# Altium PCB LimeSDR-QPCIe_1v2.PcbDoc (part 15 of 21)
Units mm, origin at the board's own origin, x right, y up, seen from the top; angles counter-clockwise.
Board outline 190 x 111.15 mm, 14 copper layers (Top, L2, L3, L4, L5, L6, L7, L8, L9, L10, L11, L12, L13, Bottom), stack 1.907 mm thick; 2014 components, 1408 nets, 9111 pads, 4171 vias.
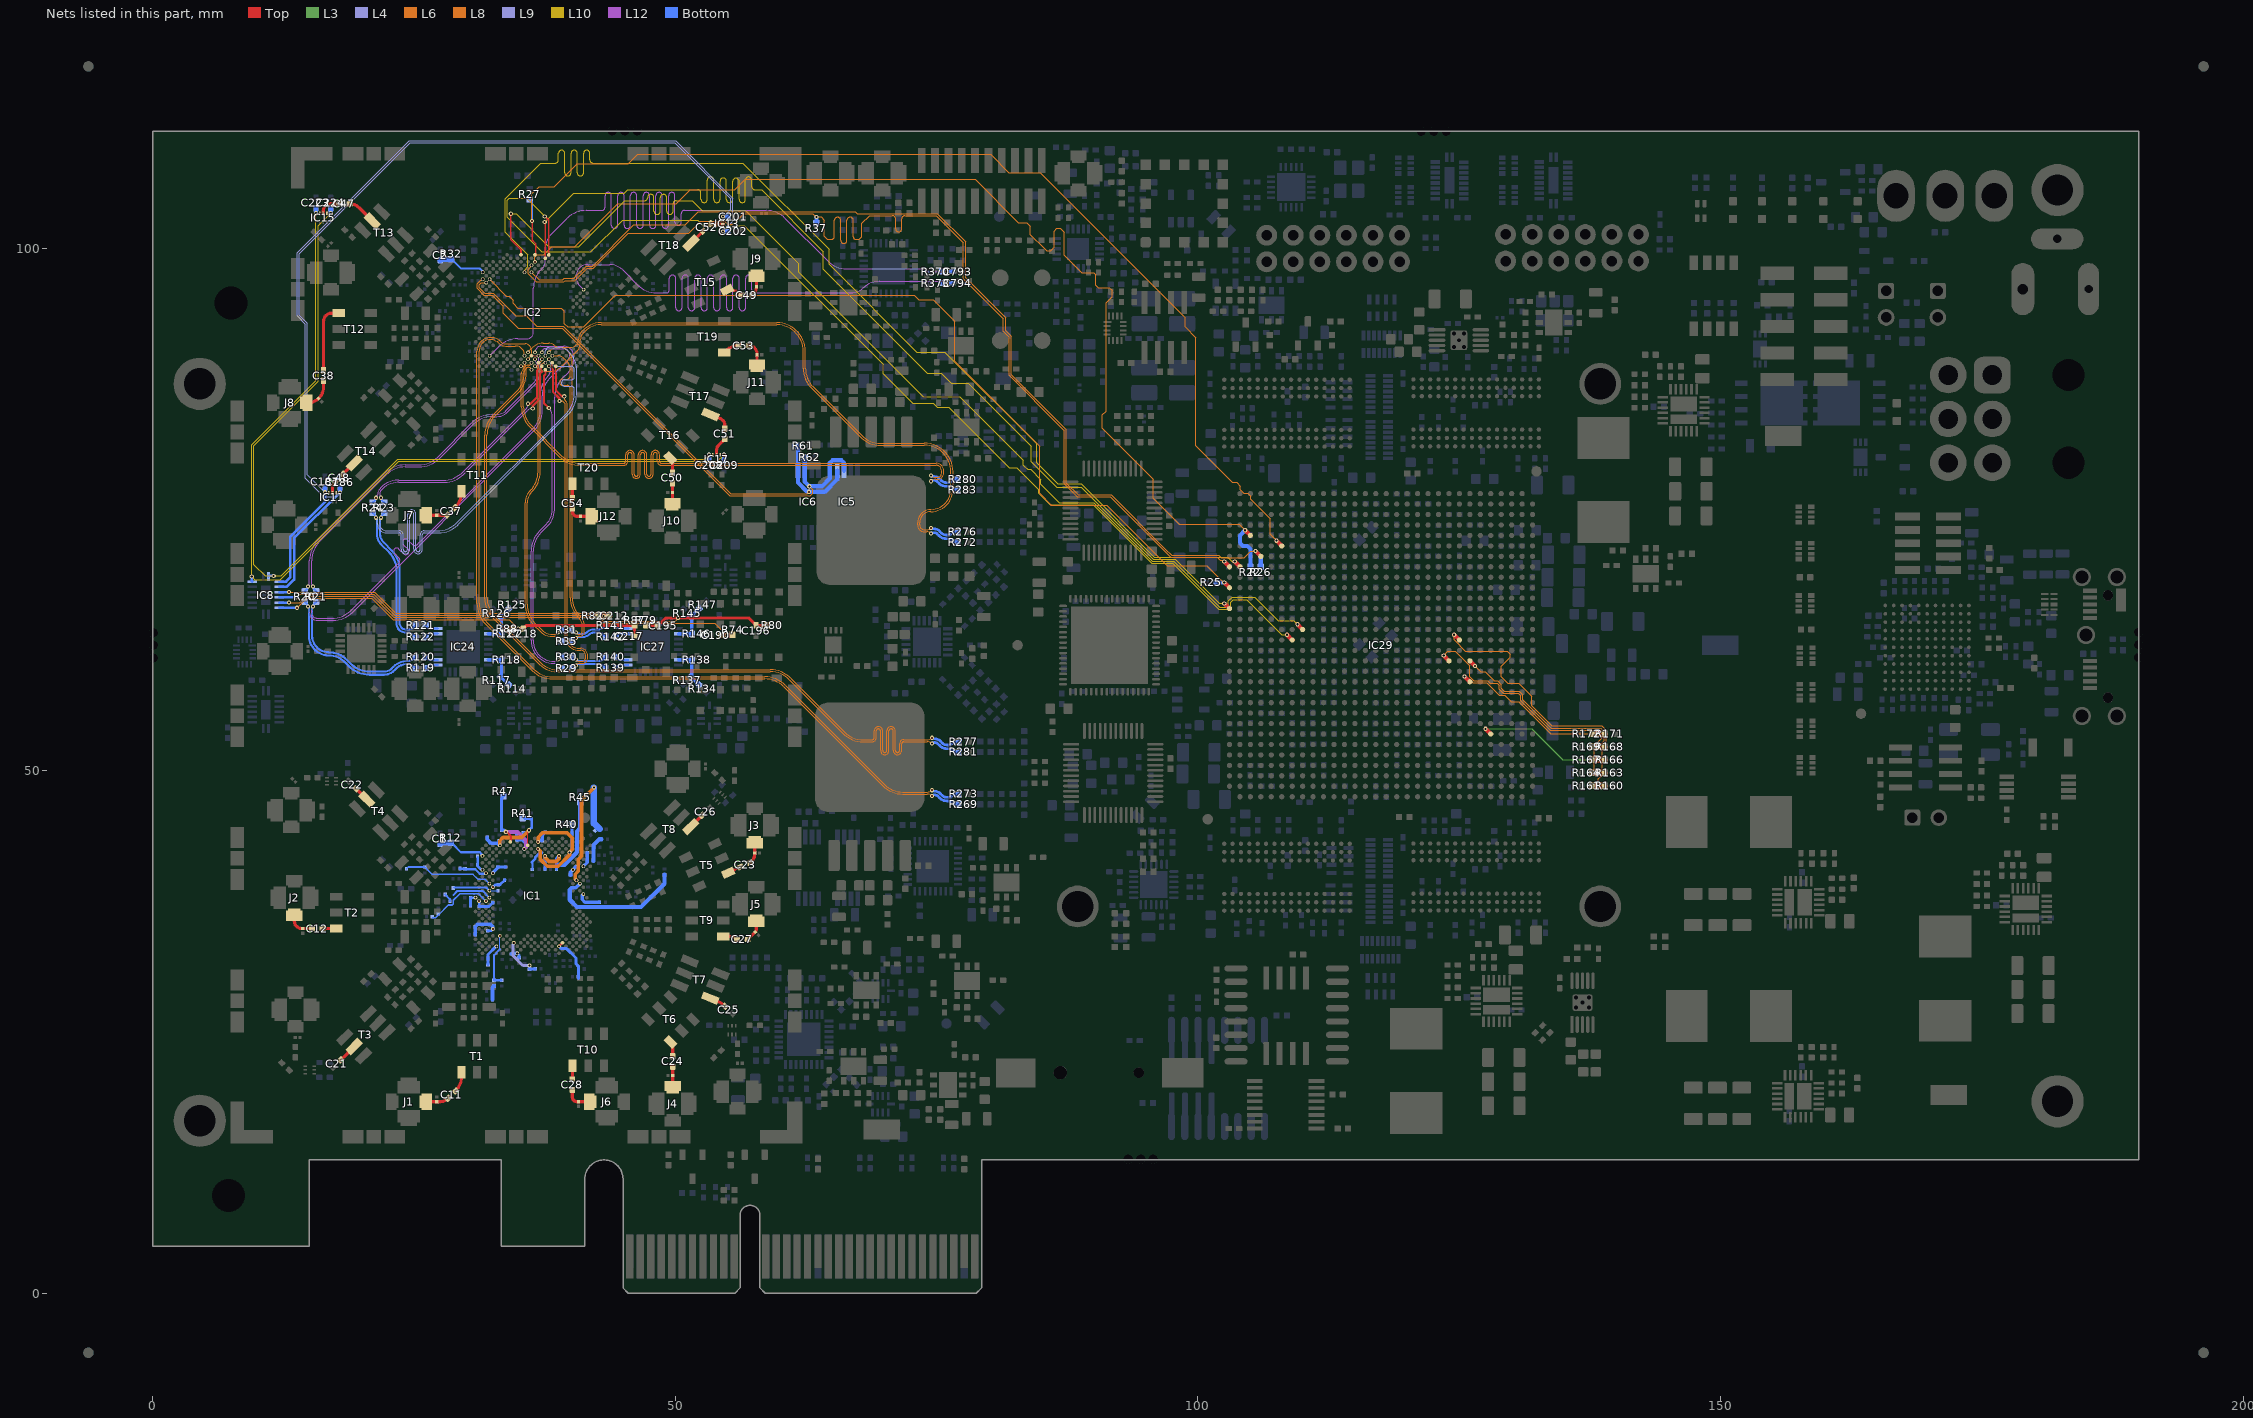
[diagram p27: the nets of this part, all layers, seen from the top]

## Via types
v1: diameter 0.4, hole 0.2, Top to Bottom, tented both sides, 3282 vias
v2: diameter 0.4, hole 0.2, Top to Bottom, tented top, 531 vias
v3: diameter 0.35, hole 0.2, Top to Bottom, tented top, 210 vias
v4: diameter 0.5, hole 0.2, Top to Bottom, tented both sides, 99 vias
v5: diameter 0.5, hole 0.2, Top to Bottom, tented bottom, 49 vias

## Nets (pads, with @x,y where several pads share a name; then routed paths per layer and width w, separated by ;. In a path a pad name is that pad's centre, name@x,y a point inside that pad or via, vN(x,y) a via of type N, cw(c..) or ccw(c..) an arc to the next point about the centre after c; other vN are vias at no path point) (continued)
LMS2_FCLK1: IC2.AA33 IC29.W30 | length 105.6
  Top w0.15: v1@37.555,102.462 37.555,99.013 IC2.AA33@37.572,99.013
  Top w0.4: v2(102.525,66) IC29.W30@103.025,65.5
  L10 w0.1: v1(37.505,102.487) 40.268,105.25 45.105,105.25 45.43,105.575 51.525,105.575 52.153,105.575 cw(c52.153,105.271) 52.457,105.271 52.457,104.645 ccw(c52.761,104.645) 52.761,104.341 ccw(c52.761,104.645) 53.065,104.645 53.065,105.575 53.065,106.505 cw(c53.369,106.505) 53.369,106.809 cw(c53.369,106.505) 53.673,106.505 53.673,105.575 53.673,104.645 ccw(c53.977,104.645) 53.977,104.341 ccw(c53.977,104.645) 54.281,104.645 54.281,105.575 54.281,106.391 cw(c54.585,106.391) 54.585,106.695 cw(c54.585,106.391) 54.889,106.391 54.889,105.575 54.889,104.645 ccw(c55.193,104.645) 55.193,104.341 ccw(c55.193,104.645) 55.497,104.645 55.497,105.575 55.497,106.371 cw(c55.801,106.371) 55.801,106.675 cw(c55.801,106.371) 56.105,106.371 56.105,105.575 56.105,104.645 ccw(c56.409,104.645) 56.409,104.341 ccw(c56.409,104.645) 56.713,104.645 56.713,105.575 56.713,106.505 cw(c57.017,106.505) 57.017,106.809 cw(c57.017,106.505) 57.321,106.505 57.321,105.879 ccw(c57.625,105.879) 57.625,105.575 58.25,105.575 64.175,99.65 64.175,97.975 74.125,88.025 75.45,88.025 76.425,87.05 78.05,87.05 84.08,81.02 84.08,79.54 86.52,77.1 88.866,77.1 95.741,70.225 97.825,70.225 102.05,66 v2(102.525,66)
LMS2_FCLK2: IC2.R29 IC29.AC29 | length 108.5
  Top w0.4: v2(103.525,70) IC29.AC29@104.025,69.5
  L10 w0.1: v3(35.574,97.681) 35.574,97.864 35.899,98.189 35.899,99.343 33.713,101.528 33.713,104.713 37.125,108.125 38.525,108.125 ccw(c38.525,108.425) 38.825,108.425 38.825,109.055 cw(c39.125,109.055) 39.125,109.355 cw(c39.125,109.055) 39.425,109.055 39.425,108.125 39.425,107.195 ccw(c39.725,107.195) 39.725,106.895 ccw(c39.725,107.195) 40.025,107.195 40.025,108.125 40.025,109.055 cw(c40.325,109.055) 40.325,109.355 cw(c40.325,109.055) 40.625,109.055 40.625,108.125 40.625,107.195 ccw(c40.925,107.195) 40.925,106.895 ccw(c40.925,107.195) 41.225,107.195 41.225,108.125 41.225,109.055 cw(c41.525,109.055) 41.525,109.355 cw(c41.525,109.055) 41.825,109.055 41.825,108.425 ccw(c42.125,108.425) 42.125,108.125 43.8,108.125 56.475,108.125 64.725,99.875 64.725,98.425 73.125,90.025 75.8,90.025 84.575,81.25 84.575,79.455 86.605,77.425 88.824,77.425 95.824,70.425 102.87,70.425 103.295,70 v2(103.525,70)
LMS2_I2C_SCL: IC2.C27 IC5.6 IC6.6 R62.2 | length 51.8
  L6 w0.1: v3(31.578,97.015) 31.501,97.015 31.053,96.567 31.053,96.132 31.693,95.491 32.51,95.491 33.55,94.451 33.55,93.744 34.957,92.337 39.192,92.337 55.229,76.3 62.92,76.3 63.15,76.53 63.15,76.875 v1(62.825,77.2)
  Bottom w0.4: R62.2@62.375,80 R62.2@62.395,79.98 ; R62.2@62.395,79.905 IC6.6@62.395,78.686 62.395,77.63 v1(62.825,77.2) 64.025,77.2 64.775,77.95 64.775,79.425 65.036,79.686 65.914,79.686 66.14,79.46 IC5.6@66.14,78.686
LMS2_I2C_SDA: IC2.D26 IC5.5 IC6.5 R61.2 | length 49.7
  L6 w0.1: v3(31.911,96.682) 31.903,96.674 31.443,96.674 31.253,96.484 31.253,96.214 31.776,95.691 32.593,95.691 34.747,93.537 35.757,93.537 36.757,92.537 39.275,92.537 55.312,76.5 62.625,76.5 v1(62.8,76.675)
  Bottom w0.4: R61.2@61.745,81.02 IC6.5@61.745,78.686 61.745,77.555 62.625,76.675 v1(62.8,76.675) 64.3,76.675 65.49,77.865 IC5.5@65.49,78.686 ; R61.2@61.745,81.095 R61.2@61.75,81.1
LMS2_LOOPBACK_RX1H: C52.1 IC13.5 | length 1.3
  Top w0.309: C52.1@53.364,102.3 IC13.5@54.55,102.3 IC13.5@54.625,102.3
LMS2_LOOPBACK_RX2H: C51.1 IC17.5 | length 1.8
  Top w0.309: IC17.5@53.95,80.175 53.95,80.675 cw(c54.57,80.675) 54.132,81.114 C51.1@54.737,81.719
LMS2_LOOPBACK_TX12: C48.1 IC11.5 | length 1.2
  Top w0.309: IC11.5@17.2,76.525 IC11.5@17.2,76.6 17.2,76.931 cw(c18.212,76.931) C48.1@17.496,77.646
LMS2_LOOPBACK_TX22: C47.1 IC15.5 | length 2.2
  Top w0.309: IC15.5@16.325,103.275 IC15.5@16.325,103.325 16.325,103.575 cw(c16.975,103.575) 16.975,104.225 C47.1@17.85,104.225
LMS2_MCLK1: IC2.AB34 IC29.T24 | length 105.9
  Top w0.15: v1@37.513,103.053 37.905,102.662 IC2.AB34@37.905,99.346
  Top w0.4: v2(108.525,63) IC29.T24@109.025,62.5
  L10 w0.1: v1(37.513,103.028) 35.788,104.753 34.118,104.753 33.913,104.548 33.913,104.258 33.913,102.933 37.221,99.625 41.925,99.625 44.95,102.65 52.133,102.65 52.633,102.15 56.595,102.15 69.875,88.87 69.875,87.95 72.7,85.125 74.7,85.125 75.075,84.75 76.175,84.75 81.95,78.975 82.682,78.975 84.775,76.882 84.775,76.525 85.875,75.425 89.975,75.425 95.575,69.825 97.617,69.825 101.992,65.45 102.753,65.45 103.125,65.822 103.125,66.095 103.38,66.35 104.67,66.35 108.02,63 v2(108.525,63)
LMS2_MCLK2: IC2.P34 IC29.U23 | length 108.6
  Top w0.15: v1@34.238,103.278 34.238,100.828 35.241,99.826 IC2.P34@35.241,99.346
  Top w0.4: v2(109.525,64) IC29.U23@110.025,63.5
  L10 w0.1: v1(34.263,103.278) 34.763,103.278 37.916,100.125 40.75,100.125 45.15,104.525 47.05,104.525 ccw(c47.05,104.829) 47.354,104.829 47.354,104.831 cw(c47.658,104.831) 47.658,105.135 cw(c47.658,104.831) 47.962,104.831 47.962,104.525 47.962,103.519 ccw(c48.266,103.519) 48.266,103.215 ccw(c48.266,103.519) 48.57,103.519 48.57,104.525 48.57,104.831 cw(c48.874,104.831) 48.874,105.135 cw(c48.874,104.831) 49.178,104.831 49.178,104.525 49.178,103.519 ccw(c49.482,103.519) 49.482,103.215 ccw(c49.482,103.519) 49.786,103.519 49.786,104.221 cw(c50.09,104.221) 50.09,104.525 51.25,104.525 51.6,104.525 52.575,103.55 56.725,103.55 61.794,98.481 61.794,97.686 73.705,85.775 77.2,85.775 83.3,79.675 83.3,79.225 83.7,78.825 84,78.825 84.975,77.85 84.975,77.4 86.75,75.625 90.058,75.625 95.658,70.025 97.7,70.025 102.075,65.65 102.67,65.65 102.925,65.905 102.925,66.25 103.275,66.6 105.42,66.6 107.67,64.35 109.175,64.35 v2(109.525,64)
LMS2_RESET: IC2.E27 IC29.AA30 R25.2 | length 92
  Top w0.4: v2(102.525,68) IC29.AA30@103.025,67.5
  L6 w0.1: v3(32.244,97.015) 32.244,96.989 33.833,95.4 34.1,95.4 34.475,95.025 34.475,94.7 34.925,94.25 39.075,94.25 39.375,93.95 39.375,92.775 39.7,92.45 41.225,92.45 44.25,95.475 72.875,95.475 73.3,95.05 74.675,95.05 76.737,92.988 76.737,89.163 84.85,81.05 84.85,76.53 85.98,75.4 91.275,75.4 97.075,69.6 100.834,69.6 102.434,68 v2(102.525,68)
  Bottom w0.4: R25.2@101.775,68 v2(102.525,68)
LMS2_RX1_BB_I_ADC_N: IC2.U5 R21.2 | length 35.2
  Top w0.1: IC2.U5@36.24,89.689 v3(36.914,89.689)
  L12 w0.1: v1(15.35,67.602) 15.269,67.684 cw(c15.435,67.85) 15.2,67.85 15.2,70.098 cw(c17.74,70.098) 15.944,71.894 22.356,78.306 cw(c24.152,76.51) 24.152,79.05 25.465,79.05 ccw(c25.465,81.79) 27.403,79.853 30.681,83.131 cw(c32.477,81.335) 32.477,83.875 32.9,83.875 ccw(c32.9,85.403) 33.98,84.322 36.519,86.862 ccw(c35.178,88.203) 37.075,88.203 37.075,88.794 ccw(c36.819,88.794) 37,88.975 cw(c37.207,89.182) 36.914,89.182 v3(36.914,89.689)
  Bottom w0.2: v1@15.325,67.602 ccw(c15.642,67.602) 15.418,67.378 R21.2@15.646,67.15
LMS2_RX1_BB_I_ADC_P: IC2.V4 R20.2 | length 34.2
  L12 w0.1: v1(14.85,67.6) 14.929,67.679 ccw(c14.759,67.85) 15,67.85 15,70.098 cw(c17.74,70.098) 15.803,72.035 22.215,78.447 cw(c24.152,76.51) 24.152,79.25 25.465,79.25 ccw(c25.465,81.79) 27.261,79.994 30.54,83.272 cw(c32.477,81.335) 32.477,84.075 32.9,84.075 ccw(c32.9,85.403) 33.839,84.464 36.378,87.003 ccw(c35.178,88.203) 36.875,88.203 36.875,88.626 ccw(c36.455,88.626) 36.752,88.923 cw(c37.185,89.356) v3(36.573,89.356)
  Bottom w0.2: R20.2@14.554,67.147 14.782,67.376 ccw(c14.558,67.6) v1@14.875,67.6
LMS2_RX1_BB_I_DET: IC24.15 R114.2 R117.1 R118.2 | length 4
  Bottom w0.3: IC24.15@32.1,60.6 R118.2@33.375,60.6 33.375,59.075 R117.1@33.279,58.979 R114.2@34.056,58.201
LMS2_RX1_BB_I_DET_N: IC24.26 R120.1 | length 1.3
  Bottom w0.2: R120.1@26.125,60.875 26.4,60.6 IC24.26@27.3,60.6
LMS2_RX1_BB_I_DET_P: IC24.25 R119.1 | length 1.3
  Bottom w0.2: R119.1@26.125,59.825 26.4,60.1 IC24.25@27.3,60.1
LMS2_RX1_BB_I_N: IC2.AB2 R21.1 R120.2 | length 55
  L12 w0.1: v1(15.35,65.693) ccw(c15.712,65.33) 15.2,65.33 15.2,65.125 ccw(c15.75,65.125) 15.75,64.575 17.115,64.575 ccw(c17.115,67.315) 19.053,65.378 23.275,69.6 23.36,69.685 23.575,69.9 ccw(c23.36,70.115) 23.575,70.33 23.133,70.773 cw(c23.348,70.988) 23.133,71.203 cw(c23.348,70.988) 23.563,71.203 24.005,70.76 ccw(c24.22,70.975) 24.435,70.76 ccw(c24.22,70.975) 24.435,71.19 23.993,71.632 cw(c24.208,71.847) 23.993,72.062 cw(c24.208,71.847) 24.423,72.062 24.865,71.62 ccw(c25.08,71.835) 25.295,71.62 25.51,71.835 25.725,72.05 36.331,82.656 ccw(c34.535,84.452) 37.075,84.452 37.075,85.965 cw(c39.575,85.965) 37.807,87.732 ccw(c37.16,88.379) 38.075,88.379 ccw(c37.735,88.379) 37.975,88.619 v3(37.905,88.69)
  Bottom w0.2: R21.1@15.646,66.15 15.447,65.951 ccw(c15.923,65.475) 15.25,65.475 15.25,62.9 ccw(c16.825,62.9) 16.825,61.325 cw(c16.825,58.85) 18.575,60.6 18.956,60.219 ccw(c20.752,62.015) 20.752,59.475 22.134,59.475 ccw(c22.134,60.541) 22.888,59.787 ; 22.888,59.787 23.036,59.935 cw(c24.4,58.57) 24.4,60.5 ccw(c24.4,61.345) 24.997,60.747 R120.2@25.125,60.875
LMS2_RX1_BB_I_P: IC2.Y6 R20.1 R119.2 | length 57.1
  L12 w0.1: v1(14.85,65.695) cw(c14.488,65.333) 15,65.333 15,65.125 ccw(c15.75,65.125) 15.75,64.375 17.281,64.375 ccw(c17.281,66.915) 19.077,65.119 36.478,82.52 ccw(c34.541,84.458) 37.281,84.458 37.281,85.865 cw(c39.613,85.865) 37.964,87.514 39.688,89.238 ccw(c39.176,89.75) 39.9,89.75 ccw(c39.237,89.75) 39.706,90.219 ccw(c39.329,89.842) 39.329,90.375 37.592,90.375 ccw(c37.592,90.022) v3(37.239,90.022)
  Bottom w0.2: R20.1@14.554,66.148 14.755,65.947 cw(c14.283,65.475) 14.95,65.475 14.95,62.9 ccw(c16.825,62.9) 16.825,61.025 cw(c16.825,58.85) 18.363,60.388 18.744,60.007 ccw(c20.752,62.015) 20.752,59.175 22.134,59.175 ccw(c22.134,60.541) 23.1,59.575 23.248,59.723 cw(c24.4,58.57) 24.4,60.2 cw(c24.4,59.355) 24.997,59.953 R119.2@25.125,59.825
LMS2_RX1_BB_Q_ADC_N: IC2.W3 R24.2 | length 23.5
  Top w0.1: 36.906,88.406 IC2.W3@36.906,89.023
  Top w0.2: v1(35.912,85.1) 36.15,85.1 36.75,85.7 36.75,88.25 36.906,88.406
  L12 w0.1: v1(21.354,76.1) 21.451,76.197 ccw(c21.323,76.325) 21.504,76.325 21.504,76.331 cw(c22.544,76.331) 21.809,77.066 cw(c23.519,75.356) 23.227,77.757 cw(c23.519,75.356) 23.519,77.775 27.761,77.775 ccw(c27.761,80.515) 29.699,78.578 35.673,84.552 ccw(c35.125,85.1) v1@35.9,85.1
  Bottom w0.2: R24.2@21.058,75.647 21.286,75.876 ccw(c21.062,76.1) v1@21.379,76.1
LMS2_RX1_BB_Q_ADC_P: IC2.Y2 R23.2 | length 23.3
  Top w0.1: 37.239,88.161 IC2.Y2@37.239,88.69
  Top w0.2: v1(36.362,84.65) 36.362,84.888 37.05,85.576 37.05,87.973 37.239,88.161
  L12 w0.1: v1(21.854,76.102) 21.755,76.201 cw(c21.879,76.325) 21.704,76.325 21.704,76.33 cw(c22.545,76.33) 21.95,76.925 cw(c23.519,75.356) 23.255,77.559 cw(c23.519,75.356) 23.519,77.575 27.927,77.575 ccw(c27.927,80.115) 29.723,78.319 35.827,84.423 cw(c36.375,83.875) v1@36.375,84.65
  Bottom w0.2: v1@21.829,76.102 ccw(c22.146,76.102) 21.922,75.878 R23.2@22.15,75.65
LMS2_RX1_BB_Q_DET: IC24.10 R125.2 R126.1 R127.2 | length 4
  Bottom w0.3: IC24.10@32.1,63.1 R127.2@33.375,63.1 33.375,64.625 R126.1@33.279,64.721 R125.2@34.056,65.499
LMS2_RX1_BB_Q_DET_N: IC24.31 R122.1 | length 1.3
  Bottom w0.2: R122.1@26.125,62.8 26.425,63.1 IC24.31@27.3,63.1
LMS2_RX1_BB_Q_DET_P: IC24.32 R121.1 | length 1.3
  Bottom w0.2: R121.1@26.125,63.9 26.425,63.6 IC24.32@27.3,63.6
LMS2_RX1_BB_Q_N: IC2.AA5 R24.1 R122.2 | length 58.1
  L4 w0.1: v1(21.354,74.2) cw(c20.992,73.838) 21.504,73.838 21.504,73.6 ccw(c22.354,73.6) 22.354,72.75 23.568,72.75 cw(c23.568,72.546) 23.772,72.546 23.772,71.158 ccw(c24.176,71.158) 24.58,71.158 24.58,74.542 cw(c24.784,74.542) 24.988,74.542 24.988,71.158 ccw(c25.392,71.158) 25.796,71.158 25.796,72.546 cw(c26,72.546) 26,72.75 27.215,72.75 27.381,72.75 ccw(c27.381,75.29) 29.177,73.494 29.294,73.611 39.758,84.075 ccw(c37.821,86.013) 40.561,86.013 40.561,86.475 40.561,87.691 40.561,87.995 40.561,88.35 ccw(c38.173,88.35) 40.55,88.577 ccw(c38.173,88.35) 39.861,90.039 ccw(c38.808,88.985) 38.808,90.475 37.925,90.475 ccw(c37.925,90.122) 37.572,90.122 v3(37.572,89.689)
  Bottom w0.2: R24.1@21.058,74.652 21.286,74.424 cw(c21.062,74.2) v1@21.379,74.2 ; v1(21.354,74.2) cw(c21.112,73.959) 21.454,73.959 21.454,72.65 ccw(c22.911,72.65) 21.881,71.619 22.625,70.875 cw(c20.935,69.185) 23.325,69.185 23.325,64.1 ccw(c24.225,64.1) 24.225,63.2 24.475,63.2 cw(c24.475,62.596) 24.902,63.023 R122.2@25.125,62.8
LMS2_RX1_BB_Q_P: IC2.AB4 R23.1 R121.2 | length 57
  L4 w0.1: v1(21.854,74.197) ccw(c22.216,73.835) 21.704,73.835 21.704,73.6 ccw(c22.354,73.6) 22.354,72.95 23.568,72.95 cw(c23.568,72.546) 23.972,72.546 23.972,71.158 ccw(c24.176,71.158) 24.38,71.158 24.38,74.542 cw(c24.784,74.542) 25.188,74.542 25.188,71.158 ccw(c25.392,71.158) 25.596,71.158 25.596,72.546 cw(c26,72.546) 26,72.95 27.215,72.95 ccw(c27.215,75.69) 29.153,73.753 39.606,84.206 ccw(c37.81,86.002) 40.35,86.002 40.35,86.475 ccw(c40.046,86.475) 40.046,86.779 39.409,86.779 cw(c39.409,87.083) 39.105,87.083 cw(c39.409,87.083) 39.409,87.387 40.046,87.387 ccw(c40.046,87.691) 40.35,87.691 40.35,87.995 40.35,88.05 40.35,88.35 ccw(c40,88.35) 40,88.7 38.561,88.7 cw(c38.561,89.356) v3(37.905,89.356)
  Bottom w0.2: v1@21.829,74.197 cw(c22.146,74.197) 21.922,74.422 R23.1@22.15,74.65 ; v1(21.854,74.197) ccw(c22.095,73.956) 21.754,73.956 21.754,72.65 ccw(c22.911,72.65) 22.093,71.831 22.881,71.043 cw(c21.085,69.247) 23.625,69.247 23.625,64.1 ccw(c24.225,64.1) 24.225,63.5 24.475,63.5 ccw(c24.475,64.104) 24.902,63.677 R121.2@25.125,63.9
LMS2_RX2_BB_I_ADC_N: IC2.V6 R30.2 | length 37
  L12 w0.1: v3(36.573,90.022) cw(c37.151,90.022) 37.151,90.6 39.325,90.6 cw(c39.325,89.65) 40.275,89.65 40.275,89.352 cw(c38.459,89.352) 39.743,88.068 39.194,87.519 ccw(c40.99,85.723) 38.45,85.723 38.45,74.963 cw(c36.287,74.963) 37.816,73.434 37.144,72.761 ccw(c38.94,70.965) 36.4,70.965 36.4,62.45 ccw(c38.4,62.45) 38.4,60.45 ccw(c38.4,60.855) 38.686,60.569 v1(38.753,60.635)
  Bottom w0.2: v1(38.753,60.635) ccw(c38.753,60.816) 38.88,60.688 R30.2@39.128,60.935
LMS2_RX2_BB_I_ADC_P: IC2.AA1 R29.2 | length 31.3
  Top w0.2: IC2.AA1@37.572,88.357 37.572,87.897 37.425,87.75 37.425,85.175 v1(37.9,84.7)
  L12 w0.1: v1(37.9,84.7) 37.914,84.686 cw(c37.103,83.875) 38.25,83.875 38.25,74.963 cw(c36.287,74.963) 37.675,73.575 37.003,72.903 ccw(c38.94,70.965) 36.2,70.965 36.2,62.45 ccw(c38.4,62.45) 38.4,60.25 cw(c38.4,59.839) 38.691,60.13 v1(38.755,60.065)
  Bottom w0.2: v1(38.755,60.065) cw(c38.755,59.884) 38.883,60.012 R29.2@39.13,59.765
LMS2_RX2_BB_I_DET: IC27.15 R134.2 R137.1 R138.2 | length 4
  Bottom w0.3: IC27.15@50.3,60.6 R138.2@51.575,60.6 51.575,59.075 R137.1@51.479,58.979 R134.2@52.256,58.201
LMS2_RX2_BB_I_DET_N: IC27.26 R140.1 | length 1.3
  Bottom w0.2: R140.1@44.325,60.875 44.6,60.6 IC27.26@45.5,60.6
LMS2_RX2_BB_I_DET_P: IC27.25 R139.1 | length 1.3
  Bottom w0.2: R139.1@44.325,59.825 44.6,60.1 IC27.25@45.5,60.1
LMS2_RX2_BB_I_N: IC2.AC3 R30.1 R140.2 | length 34.7
  Top w0.1: 38.238,88.406 IC2.AC3@38.238,89.023
  Top w0.2: 38.238,88.406 38.288,88.356 38.288,86.238 38.925,85.601 v1(38.925,85.363)
  L6 w0.1: v1(38.925,85.363) 39.071,85.363 cw(c39.071,84.971) 39.348,85.248 cw(c39.042,84.942) 39.475,84.942 39.475,62.826 ccw(c40.801,62.826) 40.801,61.5 40.95,61.5 cw(c40.95,61.025) 41.425,61.025 41.425,60.8 cw(c41.075,60.8) 41.075,60.45 40.825,60.45 cw(c40.825,60.782) 40.59,60.547 v1(40.503,60.635)
  Bottom w0.2: R30.1@40.128,60.885 40.291,60.721 ccw(c40.825,61.255) 40.825,60.5 42.625,60.5 ccw(c42.625,61.285) 43.18,60.73 R140.2@43.325,60.875
LMS2_RX2_BB_I_P: IC2.AD2 R29.1 R139.2 | length 34.6
  Top w0.1: 38.571,88.036 IC2.AD2@38.571,88.69
  Top w0.2: 38.596,88.036 38.596,86.354 39.137,85.813 v1(39.375,85.813)
  L6 w0.1: v1(39.375,85.813) 39.375,85.666 ccw(c39.766,85.666) 39.49,85.39 cw(c39.042,84.942) 39.675,84.942 39.675,62.826 ccw(c40.801,62.826) 40.801,61.7 40.95,61.7 cw(c40.95,61.025) 41.625,61.025 41.625,60.8 cw(c41.075,60.8) 41.075,60.25 40.825,60.25 ccw(c40.825,59.911) 40.586,60.151 v1(40.5,60.065)
  Bottom w0.2: R29.1@40.125,59.815 40.287,59.977 cw(c40.825,59.439) 40.825,60.2 42.625,60.2 cw(c42.625,59.415) 43.18,59.97 R139.2@43.325,59.825
LMS2_RX2_BB_Q_ADC_N: IC2.Y4 R35.2 | length 28.9
  L6 w0.1: v3@37.225,89.323 cw(c37.272,89.323) v3(37.239,89.356) cw(c36.776,89.356) 37.103,89.029 37.05,88.975 ccw(c37.471,88.554) 36.875,88.554 36.875,78.602 cw(c34.335,78.602) 36.131,76.806 36.1,76.775 ccw(c37.247,75.628) 35.625,75.628 35.625,65.902 ccw(c38.365,65.902) 36.428,63.965 37.059,63.334 ccw(c38.256,64.531) 38.256,62.838 38.45,62.838 cw(c38.45,62.506) 38.685,62.74 v1(38.75,62.675)
LMS2_RX2_BB_Q_ADC_P: IC2.AA3 R31.2 | length 28.8
  L6 w0.1: v3(37.572,89.023) ccw(c37.572,88.561) 37.245,88.888 37.191,88.834 ccw(c37.471,88.554) 37.075,88.554 37.075,78.602 cw(c34.335,78.602) 36.272,76.665 36.241,76.634 ccw(c37.247,75.628) 35.825,75.628 35.825,65.902 ccw(c38.365,65.902) 36.569,64.106 37.2,63.475 ccw(c38.256,64.531) 38.256,63.038 38.45,63.038 ccw(c38.45,63.369) 38.685,63.135 v1(38.75,63.2)
  Bottom w0.2: v1(38.75,63.2) ccw(c38.75,63.381) 38.878,63.253 R31.2@39.125,63.5
LMS2_RX2_BB_Q_DET: IC27.10 R145.1 R146.2 R147.2 | length 4
  Bottom w0.3: IC27.10@50.3,63.1 R146.2@51.575,63.1 51.575,64.625 R145.1@51.479,64.721 R147.2@52.256,65.499
LMS2_RX2_BB_Q_DET_N: IC27.31 R142.1 | length 1.3
  Bottom w0.2: R142.1@44.325,62.8 44.625,63.1 IC27.31@45.5,63.1
LMS2_RX2_BB_Q_DET_P: IC27.32 R141.1 | length 1.3
  Bottom w0.2: R141.1@44.325,63.9 44.625,63.6 IC27.32@45.5,63.6
LMS2_RX2_BB_Q_N: IC2.AB6 R35.1 R142.2 | length 34
  L6 w0.1: v3(37.905,90.022) 38.143,90.261 cw(c38.6,89.804) 38.6,90.45 38.965,90.45 cw(c38.965,89.34) 39.75,90.125 cw(c38.784,89.159) 40.15,89.159 40.15,66.56 ccw(c42.69,66.56) 40.894,64.764 41.016,64.641 cw(c40.332,63.957) 41.3,63.957 41.3,63.3 cw(c40.838,63.3) 40.838,62.838 40.8,62.838 ccw(c40.8,62.506) 40.565,62.74 v1(40.5,62.675)
  Bottom w0.2: R35.1@40.125,62.375 40.228,62.478 cw(c40.975,61.731) 40.975,62.788 41.177,62.788 ccw(c41.177,63.598) 41.75,63.025 cw(c42.172,62.603) 42.172,63.2 42.625,63.2 cw(c42.625,62.476) 43.137,62.988 R142.2@43.325,62.8
LMS2_RX2_BB_Q_P: IC2.AC5 R31.1 R141.2 | length 33.7
  L6 w0.1: v3(38.238,89.689) 38.737,89.689 cw(c38.737,88.787) 39.375,89.425 39.667,89.133 cw(c38.984,88.45) 39.95,88.45 39.95,88.025 39.95,87.766 cw(c39.646,87.766) 39.646,87.462 39.239,87.462 ccw(c39.239,87.158) 38.935,87.158 ccw(c39.239,87.158) 39.239,86.854 39.646,86.854 cw(c39.646,86.55) 39.95,86.55 39.95,66.56 ccw(c42.69,66.56) 40.753,64.622 40.875,64.5 cw(c40.332,63.957) 41.1,63.957 41.1,63.3 cw(c40.838,63.3) 40.838,63.038 40.8,63.038 cw(c40.8,63.369) 40.565,63.135 v1(40.5,63.2)
  Bottom w0.2: R31.1@40.125,63.5 40.228,63.397 ccw(c40.975,64.144) 40.975,63.088 41.177,63.088 ccw(c41.177,63.598) 41.538,63.237 cw(c42.172,62.603) 42.172,63.5 42.625,63.5 ccw(c42.625,64.224) 43.137,63.712 R141.2@43.325,63.9
LMS2_RXEN: IC2.V34 IC29.AE25 R27.1 | length 104.9
  Top w0.15: v1@36.313,102.578 36.313,100.748 36.637,100.424 36.637,99.346 IC2.V34@36.573,99.346
  Top w0.4: v2(107.525,72) IC29.AE25@108.025,71.5
  L6 w0.1: v1(36.288,102.578) 36.288,105.173 36.968,105.853 38.411,105.853 40.608,108.05 45.501,108.05 46.429,108.978 80.17,108.978 81.924,107.225 84.91,107.225 98.7,93.435 98.7,93.421 98.775,93.346 98.775,92.451 99.793,91.434 99.793,81.076 103.294,77.575 103.728,77.575 104.075,77.228 104.075,76.858 104.383,76.55 104.753,76.55 105.075,76.228 105.075,75.945 106.925,74.095 106.925,72.6 v2(107.525,72)
  Bottom w0.2: R27.1@36.075,104.65 36.288,104.437 v1(36.288,102.578)
LMS2_RXPLL_CLK: C794.2 IC2.AM24 R373.1 | length 80.7
  L12 w0.1: v3(41.235,96.016) 40.885,96.366 cw(c41.815,97.296) 40.5,97.296 cw(c41.604,97.296) 41.604,98.4 43.743,98.4 cw(c43.743,96.693) 44.95,97.9 46.406,96.444 ccw(c48.202,98.24) 48.202,95.7 49.125,95.7 ccw(c49.125,96.004) 49.429,96.004 49.429,97.101 cw(c49.733,97.101) 49.733,97.405 cw(c49.733,97.101) 50.037,97.101 50.037,95.7 50.037,94.299 ccw(c50.341,94.299) 50.341,93.995 ccw(c50.341,94.299) 50.645,94.299 50.645,95.7 50.645,97.101 cw(c50.949,97.101) 50.949,97.405 cw(c50.949,97.101) 51.253,97.101 51.253,95.7 51.253,94.299 ccw(c51.557,94.299) 51.557,93.995 ccw(c51.557,94.299) 51.861,94.299 51.861,95.7 51.861,97.101 cw(c52.165,97.101) 52.165,97.405 cw(c52.165,97.101) 52.469,97.101 52.469,95.7 52.469,94.299 ccw(c52.773,94.299) 52.773,93.995 ccw(c52.773,94.299) 53.077,94.299 53.077,95.7 53.077,97.101 cw(c53.381,97.101) 53.381,97.405 cw(c53.381,97.101) 53.685,97.101 53.685,95.7 53.685,94.299 ccw(c53.989,94.299) 53.989,93.995 ccw(c53.989,94.299) 54.293,94.299 54.293,95.7 54.293,97.101 cw(c54.597,97.101) 54.597,97.405 cw(c54.597,97.101) 54.901,97.101 54.901,95.7 54.901,94.299 ccw(c55.205,94.299) 55.205,93.995 ccw(c55.205,94.299) 55.509,94.299 55.509,95.7 55.509,97.101 cw(c55.813,97.101) 55.813,97.405 cw(c55.813,97.101) 56.117,97.101 56.117,95.7 56.117,94.299 ccw(c56.421,94.299) 56.421,93.995 ccw(c56.421,94.299) 56.725,94.299 56.725,95.7 56.725,97.101 cw(c57.029,97.101) 57.029,97.405 cw(c57.029,97.101) 57.333,97.101 57.333,96.004 ccw(c57.637,96.004) 57.637,95.7 61,95.7 66.839,95.7 ccw(c66.839,97.236) 67.925,96.15 cw(c69.494,94.581) 69.494,96.8 75.613,96.8 cw(c75.613,96.288) v1(75.975,96.65)